# Altium PCB pololu_3pi+_jlcpcb.PcbDoc (continued)
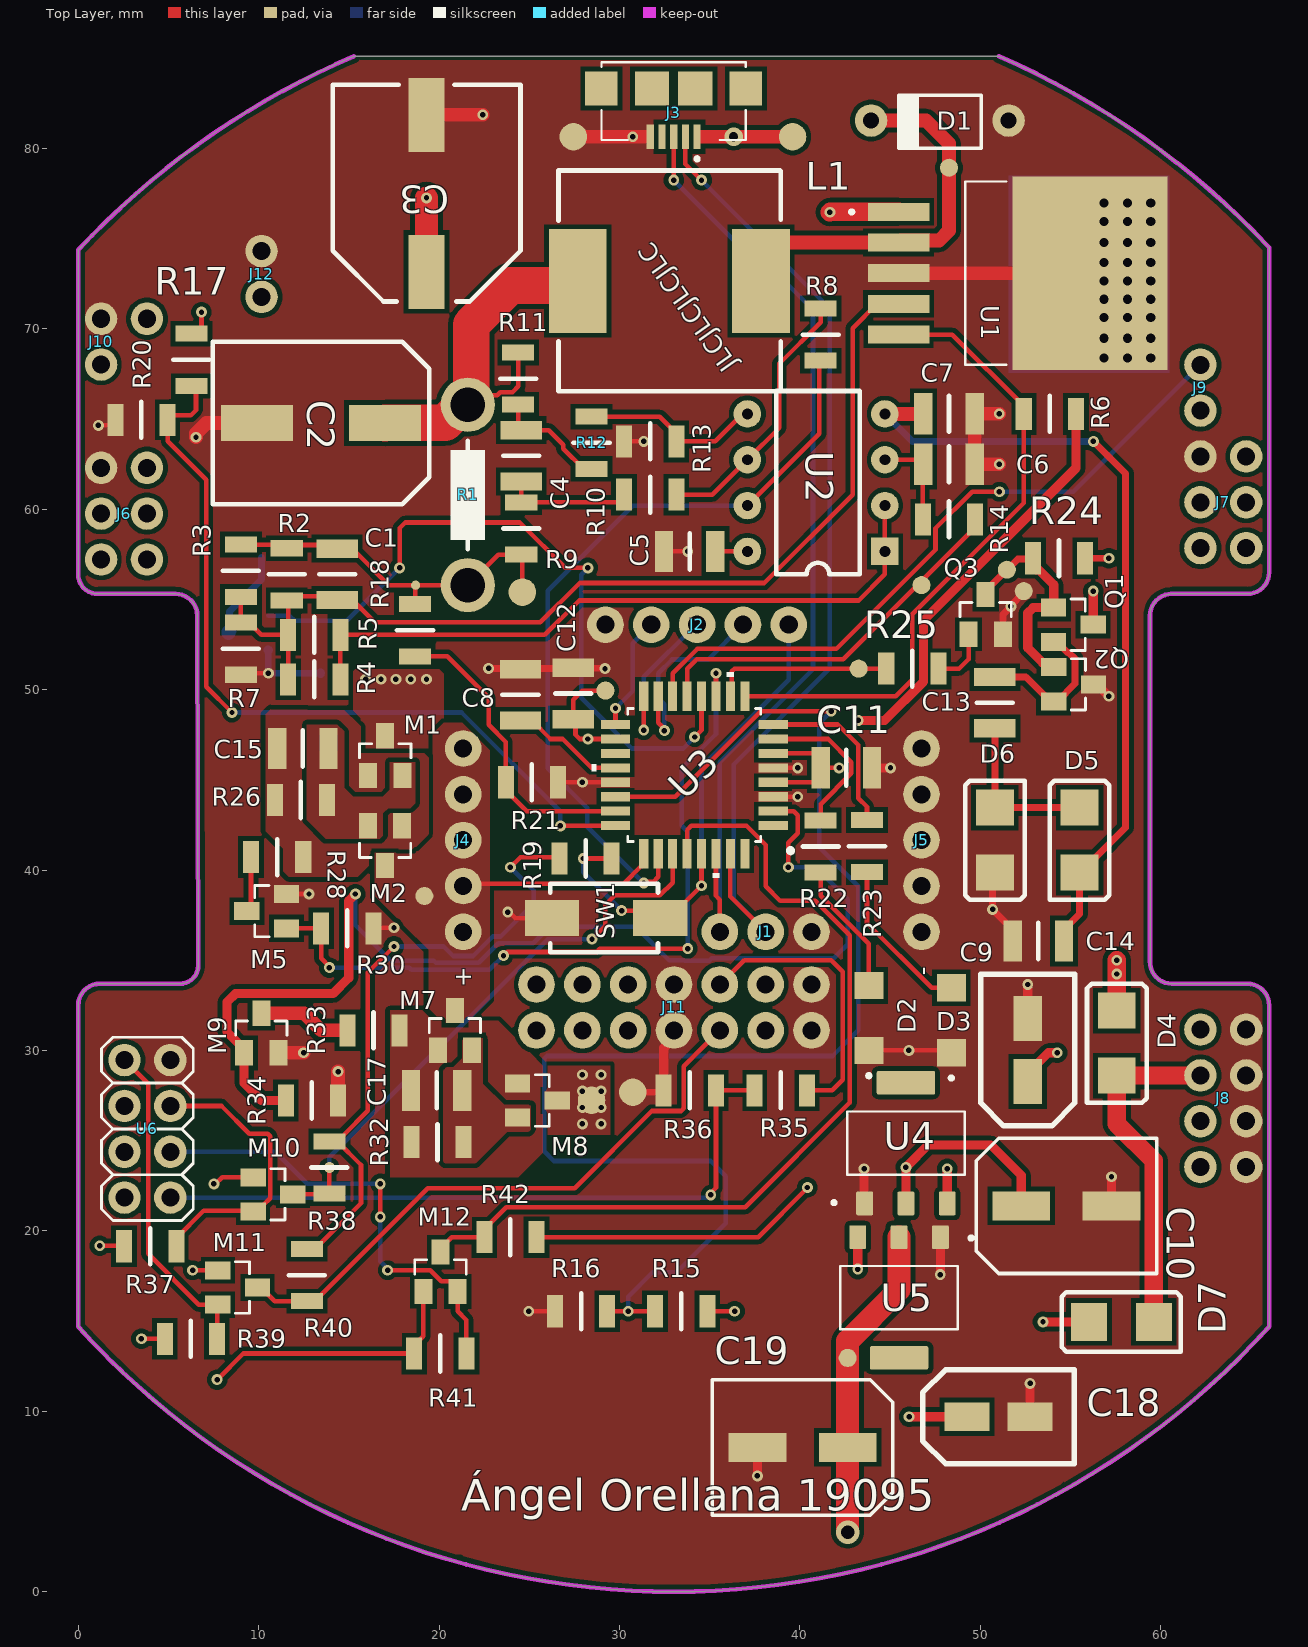
[diagram p0: Top Layer view]
## Footprints (in the part's own frame and the unit in brackets; to place one, negate y for a bottom-side part, rotate by r counter-clockwise, add the part's x,y. Pads: shape width x height; smd on the part's side, far side on the other; paste and mask are expansions set on the pad) (continued)
LSMD_POWER [mm]
  rect 3.2x5.75 smd: 1(-5.075,0) 2(5.075,0)
  silkscreen extent -6.15,-6.12 6.17,6.12, body extent -6,-6 6,6, height 7.46
R1206 [mil]
  rect 35x70 smd: 1(-57,0) 2(57,0)
  silkscreen extent 0,-39 0,39, body extent -63,-31 63,31, height 20
"Shunt 10mm" [mm]
  round 3 hole 1.9: 1(0,0) 2(10,0)
  silkscreen extent 2,-0.95 8,0.95, body extent -1.24,-1.25 10.88,1.25, height 8.74
SOD81 [mm]
  round 1.8 hole 0.9: 1(0,0) 2(7.62,0)
  silkscreen extent 1.52,-1.4 6.1,1.52, body extent -0.28,-1.01 7.9,0.89, height 2.9
SOT23-3L [mm]
  rect 1.4x1 smd: 1(1.1,-0.95) 2(1.1,0.95) 3(-1.1,0)
  silkscreen extent -0.66,-1.42 0.13,1.42, body extent -1.2,-1.45 1.2,1.45, height 1
SOT229P700X180-4N [mm]
  rrect15% 0.93x1.31 smd: 1(-2.29,-3.345) 2(0,-3.345) 3(2.29,-3.345)
  rrect15% 3.24x1.31 smd: 4(0,3.345)
  silkscreen extent -4.09,-3.4 3.25,1.75, body extent -3.25,-3.5 3.25,3.5, height 1.8
TQFP32_32A_MCH-M [mil]
  rect 64x20 smd paste+0 mask+0: 1(-172,110.24) 2(-172,78.74) 3(-172,47.24) 4(-172,15.75) 5(-172,-15.75) 6(-172,-47.24) 7(-172,-78.74) 8(-172,-110.24) 17(172,-110.24) 18(172,-78.74) 19(172,-47.24) 20(172,-15.75) 21(172,15.75) 22(172,47.24) 23(172,78.74) 24(172,110.24)
  rect 20x64 smd paste+0 mask+0: 9(-110.24,-172) 10(-78.74,-172) 11(-47.24,-172) 12(-15.75,-172) 13(15.75,-172) 14(47.24,-172) 15(78.74,-172) 16(110.24,-172) 25(110.24,172) 26(78.74,172) 27(47.24,172) 28(15.75,172) 29(-15.75,172) 30(-47.24,172) 31(-78.74,172) 32(-110.24,172)
  silkscreen extent -215,-224 224,224, body extent -182,-182 182,182, height 47
"USB MICRO-B" [mm]
  rect 0.4x1.35 smd: 1(-1.3,2.675) 2(-0.65,2.675) 3(0,2.675) 4(0.65,2.675) 5(1.3,2.675)
  rect 1.8x1.9 smd: S1(-4,0) S4(4,0)
  rect 1.9x1.9 smd: S2(-1.2,0) S3(1.2,0)
  silkscreen extent -4,-1.45 4,4, body extent -4.04,-2.84 4.04,2.72, height 2.76
VREG_LM2596S-ADJ/NOPB [mm]
  rect 3.4x1 smd paste-0.05 mask+0.07: 1(-10.6,3.4) 2(-10.6,1.7) 3(-10.6,0) 4(-10.6,-1.7) 5(-10.6,-3.4)
  rect 8.6x10.7 smd paste-0.05 mask+0.07: 6(0,0)
  silkscreen extent -13.3,-5.08 -4.62,5.08, body extent -10.67,-5.08 3.68,5.08, height 4.65

## Part data
C1 C4 C5 C6 C7 C8 C11 C12 C13 C14 C15 C16 C17: library part Capacitor
C2 C3 C9 C10 C18 C19: library part "Electrolytic Capacitor"
D1: library part "Schottky Diode"
D2 D3: "Red 631nm LED Indication - Discrete 2V 1206 (3216 Metric)", Package="1206 Lite-On", Availability="In Stock", Check_prices=https://www.snapeda.com/parts/LTST-C230KRKT/Lite-On+Inc./view-part/?ref=eda, MF="Lite-On Inc.", MP=LTST-C230KRKT, Price=None, Purchase-URL=https://pricing.snapeda.com/search?q=LTST-C230KRKT&ref=eda, SnapEDA_Link=https://www.snapeda.com/parts/LTST-C230KRKT/Lite-On+Inc./view-part/?ref=snap
J3: "USB - micro B USB 2.0 Receptacle Connector 5 Position Surface Mount, Right Angle", Package=None, Availability=Unavailable, MF="Wurth Electronics", MP=629105136821, Price=None, SnapEDA_Link=https://www.snapeda.com/parts/629105136821/Wurth%20Electronics%20Inc./view-part/1118247/?ref=snap
L1: library part Inductor
M1 M2 M3 M4 M7 M8: "P-Channel 30 V 4A (Ta) 1.4W (Ta) Surface Mount SOT-23-3", Package="TO-236-3 Alpha &amp; Omega Semiconductor Inc.", Availability="In Stock", Check_prices=https://www.snapeda.com/parts/AO3401A/Alpha+%2526+Omega+Semiconductor+Inc./view-part/?ref=eda, MF="Alpha & Omega Semiconductor Inc.", MP=AO3401A, Price=None, Purchase-URL=https://pricing.snapeda.com/search/part/AO3401A/?ref=eda, SnapEDA_Link=https://www.snapeda.com/parts/AO3401A/Alpha+%2526+Omega+Semiconductor+Inc./view-part/?ref=snap
M5 M6 M9 M10 M11 M12: "N-Channel 60V 280mA (Ta) 350mW (Ta) Surface Mount SOT-23-3 (TO-236)", Package=None, Availability=Unavailable, MP=altium_native_batch, Price=None
R1 R2 R3 R4 R5 R6 R7 R8 R9 R10 R11 R12 R13 R14 R15 R16 R17 R18 R19 R20 R21 R22 R23 R24 R25 R26 R27 R28 R29 R30 R31 R32 R33 R34 R35 R36 R37 R38 R39 R40 R41 R42: library part Resistor
SW1: "6×3.5×4.3mm Push Button"
U1: "SIMPLE SWITCHER&reg; 4.5V to 40V, 3A Low Component Count Step-Down Regulator", Package="TO-263-5 Texas Instruments", Availability="In Stock", Check_prices=https://www.snapeda.com/parts/LM2596S-ADJ/NOPB/Texas+Instruments/view-part/?ref=eda, MF="Texas Instruments", MP=LM2596S-ADJ/NOPB, Price=None, Purchase-URL=https://pricing.snapeda.com/search/part/LM2596S-ADJ/NOPB/?ref=eda, SnapEDA_Link=https://www.snapeda.com/parts/LM2596S-ADJ/NOPB/Texas+Instruments/view-part/?ref=snap
U3: "No Description Available", Mfr_Name=Microchip, RefDes=RefDes, Type=Type
U4 U5: "1A LOW DROPOUT VOLTAGE REGULATOR", Package="SOT-223 Seeed Technology", Availability="Not in stock", Check_prices=https://www.snapeda.com/parts/AMS1117-5.0/ams/view-part/?ref=eda, MF=ams, MP=AMS1117-5.0, Price=None, SnapEDA_Link=https://www.snapeda.com/parts/AMS1117-5.0/ams/view-part/?ref=snap
U6: "ESP8266 ESP-01 Transceiver; 802.11 b/g/n (Wi-Fi, WiFi, WLAN) Evaluation Board", Package=Package, Availability="In Stock", Check_prices=https://www.snapeda.com/parts/ESP-01/AI-Thinker/view-part/5164489/?ref=eda, MF=AI-Thinker, MP=ESP-01, Price=None, Purchase-URL=https://pricing.snapeda.com/search/part/ESP-01/?ref=eda, SnapEDA_Link=https://www.snapeda.com/parts/ESP-01/AI-Thinker/view-part/5164489/?ref=snap

## Free pads (board coordinates)
  round 1.8 hole 1: 8(3.81,70.55)
  round 0.508 smd: 9(18.7,55.786)
  round 1 smd: 10(19.184,38.56) 10(29.218,49.946) 10(42.643,12.962) 10(43.253,51.159) 10(46.736,55.786) 10(48.26,78.918) 10(51.467,56.642) 10(52.4,55.456)
  round 1.524 smd: 10(24.613,55.397) 10(27.44,80.637) 10(28.448,27.239) 10(30.734,27.686) 10(39.591,80.637)

## Via types
v1: diameter 0.6, hole 0.3, Top Layer to Bottom Layer, 99 vias
v2: diameter 0.889, hole 0.508, Top Layer to Bottom Layer, 27 vias
v3: diameter 1.3, hole 0.762, Top Layer to Bottom Layer, 1 vias
v4: diameter 1.016, hole 0.508, Top Layer to Bottom Layer, 1 vias

## Nets (pads, with @x,y where several pads share a name; then routed paths per layer and width w, separated by ;. In a path a pad name is that pad's centre, name@x,y a point inside that pad or via, vN(x,y) a via of type N, cw(c..) or ccw(c..) an arc to the next point about the centre after c; other vN are vias at no path point)
3.3V: C19.2 M10.1 M11.1 M12.1 pad.10@42.643,12.962 R37.1 R39.1 R41.1 U5.2 U6.2 U6.6 | length 39.2
  Top Layer w0.254: v1(1.194,19.177) 2.515,19.177 R37.1 ; v1(3.505,14.021) R39.1 ; v1(6.34,17.816) M11.1 ; v1(7.518,22.606) 7.612,22.606 7.978,22.972 M10.1 ; v1(7.696,11.76) 9.144,13.208 R41.1 18.618,13.652 19.126,14.16 M12.1
  Top Layer w1.27: U6.2 U6.2@2.667,21.743 ; v3(42.643,3.306) C19.2 42.643,13.89 45.491,16.739 U5.2
3.3V_SCL: M12.2 R41.2 U6.3 | length 25.4
  Top Layer w0.254: v1(16.739,20.777) v1(16.739,22.606) ; v1(17.15,17.816) 19.507,17.816 20.112,17.21 20.653,17.21 21.026,16.837 M12.2 21.026,15.55 21.514,15.062 R41.2
  Bottom Layer w0.254: U6.3 10.922,24.384 12.7,22.606 v1(16.739,22.606) ; v1(16.739,20.777) 16.739,18.321 17.15,17.909 v1(17.15,17.816)
3.3V_SDA: M10.2 R37.2 U6.5 | length 16.3
  Top Layer w0.254: U6.5 7.943,26.924 9.479,25.388 10.5,25.388 10.649,25.239 10.649,22.367 10.642,22.36 10.642,21.819 10.268,21.445 9.895,21.072 M10.2 9.659,21.107 6.947,21.107 5.436,19.596 R37.2
3.3V_TX: M11.2 R39.2 U6.8 | length 18.2
  Top Layer w0.254: U6.8 3.874,28.156 3.874,18.732 6.69,15.916 M11.2 7.696,15.873 R39.2
5V: C10.2 C11.2 C12.2 pad.10@29.218,49.946 R6.2 R19.1 R38.1 R40.1 R42.1 U3.4 U3.6 U3.18 U4.2 | length 99.6
  Top Layer w0.254: R40.1 12.992,19.317 13.449,19.317 15.672,21.539 15.672,23.653 14.364,24.961 R38.1 ; R38.1@14.682,25.286 16.056,26.661 16.056,34.319 v1(17.501,35.763) ; v1(23.952,40.157) 24.511,40.716 26.594,40.716 R19.1 ; R42.1 37.678,19.652 v1@40.386,22.36 ; pad.10@29.218,49.946 27.94,49.946 27.432,49.438 C12.2 27.559,48.235 27.559,47.494 27.79,47.263 U3.18 ; U3.4 40.767,44.863 41.148,45.244 C11.2 ; U3.6 40.767,46.463 41.148,46.082 C11.2 ; v1(42.169,45.663) C11.2 ; v1(45.872,23.52) 45.923,23.52 v1@45.923,23.571 ; C10.2@51.462,21.387 C10.2
  Top Layer w0.508: v1(43.231,48.29) 44.691,48.29 46.85,50.45 46.85,53.835 55.296,62.281 R6.2 ; U4.2 v1(45.872,23.52) ; v1@45.923,23.571 47.117,24.765 50.577,24.765 52.262,23.079 C10.2
  Bottom Layer w0.254: v1(17.501,35.763) 20.25,35.763 20.78,35.233 21.892,35.233 22.976,36.317 23.414,36.317 25.244,38.147 25.244,38.865 v1(23.952,40.157)
  other v1: 40.411,22.406 28.245,47.263
-PVDD: C7.1 C14.1 D5.1 U2.4 | length 44.2
  Top Layer w0.381: C14.1 54.635,36.703 55.499,37.567 D5.1 55.549,39.856 58.039,42.346 58.039,61.976 v1(56.261,63.754)
  Top Layer w0.762: U2.4 46.825,65.278 C7.1
  Bottom Layer w0.381: U2.4 46.228,63.754 v1(56.261,63.754)
GND: C2.1 C3.1 C5.1 C6.1 C7.2 C8.1 C9.1 C10.1 C11.1 C12.1 C14.2 C18.1 C19.1 D1.1 D2.C D3.C D6.2 J1.3 J2.5 J3.5 J5.1 J5.2 J5.3 J5.4 J5.5 J6.1 J7.1 J8.1 J8.2 J8.3 J8.4 J10.2 J11.4 J11.7 J11.8 J11.11 J12.2 M5.2 M6.2 M9.2 pad.10@27.44,80.637 pad.10@30.734,27.686 pad.10@52.4,55.456 Q2.3 Q3.2 R7.2 R13.2 R16.1 R20.2 R21.2 R30.2 R31.2 R34.2 R36.1 SW1.2 U1.3 U1.6 U3.3 U3.5 U3.21 U4.1 U5.1 U6.7 | length 88.7
  Top Layer w0.254: v1(1.118,64.643) 1.752,64.643 R20.2 ; R7.2 9.096,50.901 v1(10.541,50.901) ; M5.2 v1(12.791,38.669) ; R30.2 16.399,36.805 v1(17.501,36.805) ; v1(23.801,37.667) 23.894,37.667 24.224,37.338 SW1.2 ; v1(24.965,15.55) R16.1 ; R21.2 v1(27.94,44.863) U3.21 ; R13.2 v1(31.344,63.754) ; C5.1 v1(33.782,57.655) ; U3.3 v1(39.878,44.063) ; U3.5 v1(39.878,45.663) ; D2.C v1(46.037,30.001) 48.26,30.001 D3.C
  Top Layer w0.381: v1(22.743,51.171) 27.491,51.171 27.503,51.183 29.173,51.183 v1(29.196,51.159) ; pad.10@30.734,27.686 32.347,27.686 R36.1 ; D6.2 50.673,39.729 v1(50.673,37.821) 51.791,36.703 C14.2 ; Q3.2 51.242,54.163 v1(51.689,54.61) 51.689,54.669 52.4,55.38 pad.10@52.4,55.456
  Top Layer w0.508: R36.1 32.448,30.131 33.02,30.703 J11.4 ; v1(37.643,6.426) C19.1 ; U4.1@43.557,21.191 v1(43.557,23.44) ; C11.1 v1(45.015,45.663) ; v1(47.777,17.577) 47.779,17.579 47.779,19.65 U5.1 ; C9.1 v1(52.621,33.655) ; C18.1 v1(52.751,11.552) ; Q2.3 56.461,50.292 v1(57.118,49.635) ; C10.1 v1(57.262,22.998)
  Top Layer w0.762: v1(6.528,63.983) 6.528,64.195 7.103,64.77 C2.1 ; M9.2 v1(12.491,29.869) ; R34.2 v1(14.402,28.83) ; C3.1 v1(22.416,81.852) ; pad.10@27.44,80.637 v1(30.734,80.637) J3.5@31.521,80.637 ; U1.3 U1.6 ; v1(51.042,62.484) C6.1 C7.2 v1(51.042,65.29)
  Bottom Layer w0.381: v1@10.532,50.91 M6.2@10.532,52.178 ; v1@10.545,50.906 R31.2@13.419,50.906
  Bottom Layer w0.508: M6.2 M6.2@10.532,52.178 ; v1@10.532,50.91 v1(10.541,50.901) v1@10.545,50.906 ; R31.2@13.419,50.906 R31.2
  other v2: 56.845,68.375 58.147,68.375 59.436,68.375 56.845,69.469 58.147,69.469 59.436,69.469 56.845,70.612 58.147,70.612 59.436,70.612 56.845,71.628 58.147,71.628 59.436,71.628 56.845,72.644 58.147,72.644 59.436,72.644 56.845,73.66 58.147,73.66 59.436,73.66 56.845,74.774 58.147,74.774 59.436,74.774 56.845,75.946 58.147,75.946 59.436,75.946 56.845,76.962 58.147,76.962 59.436,76.962
led_LiON: R23.1 U3.8 | length 9.5
  Top Layer w0.254: U3.8 42.095,48.063 43.231,46.926 43.231,43.986 43.713,43.504 R23.1
led_NiMH: R22.1 U3.7 | length 8.8
  Top Layer w0.254: U3.7 41.558,47.263 42.85,45.971 42.85,45.354 41.148,43.653 R22.1
Li_FB: C1.1 R2.2 R3.2 R4.1 R5.1 R7.1 U1.4 | length 56.1
  Top Layer w0.254: R3.2 R7.1 9.461,53.718 10.147,53.032 R5.1 ; R4.1 R5.1 ; U1.4 44.266,71.374 42.926,70.034 42.926,60.801 38.029,55.905 27.79,55.905 25.606,53.721 16.431,53.721 14.986,55.166 14.351,55.166 11.582,55.166 11.633,55.115 R5.1
LiON_Battery: J4.1 J4.2 J4.3 J4.4 J4.5 M2.3 M7.3 pad.10@19.184,38.56 U3.25 | length 11.3
  Top Layer w0.254: J4.2 21.466,39.246 30.229,39.246 31.191,40.208 31.217,40.208 31.344,40.335 U3.25
  Top Layer w1.016: J4.5@21.061,46.736 J4.5
MISO: J2.3 U3.16 | length 9
  Top Layer w0.254: v1(31.344,47.752) U3.16
  Bottom Layer w0.254: v1(31.344,47.752) 31.344,50.701 34.237,53.594 J2.3
MOSI: J2.2 U3.15 | length 11.4
  Top Layer w0.254: U3.15 32.144,48.163 32.487,47.82 v1(32.487,47.727) ; J2.2@36.576,53.594 J2.2
  Bottom Layer w0.254: v1(32.487,47.727) 32.487,49.189 32.144,49.532 32.144,50.901 32.908,51.665 34.909,51.665 J2.2
NetC2_2: C2.2 L1.1 R1.1 R11.1 | length 20.7
  Top Layer w0.254: R1.1 21.775,65.971 22.115,66.311 23.217,66.311 23.39,66.484 24.066,66.484 24.384,66.802 R11.1
  Top Layer w2.032: C2.2@17.022,64.754 C2.2 17.022,64.786 20.328,64.786 21.328,65.786 R1.1 ; R1.1@21.775,65.971 21.775,70.219 23.946,72.39 L1.1@27.209,72.39
NetC4_1: C4.1 R11.2 R12.1 | length 6.4
  Top Layer w0.254: R11.2 24.384,64.546 C4.1 26.078,64.376 26.882,63.572 26.882,63.352 28.003,62.23 R12.1
NetC4_2: C4.2 R9.2 R10.1 | length 7.1
  Top Layer w0.254: C4.2 R9.2 29.935,60.376 30.252,60.693 R10.1
NetC6_2: C6.2 R14.2 U2.3 | length 5.3
  Top Layer w0.254: U2.3 46.584,62.738 C6.2 46.812,62.459 R14.2
NetC8_2: C8.2 U3.20 | length 6.4
  Top Layer w0.254: C8.2 25.146,48.29 26.173,47.263 26.848,47.263 28.448,45.663 U3.20
NetC13_1: C13.1 Q1.2 Q2.2 | length 8.4
  Top Layer w0.381: C13.1 52.514,50.698 53.551,49.661 53.551,49.651 53.861,49.342 Q2.2 54.261,49.342 55.243,50.325 55.243,51.708 54.892,52.06 54.834,52.06 54.25,52.644 Q1.2
NetC13_2: C13.2 D5.2 D6.1 | length 9.1
  Top Layer w0.381: C13.2 D6.1 D5.2
NetC15_1: C15.1 M1.1 M2.1 R26.2 R28.2
NetC15_2: C15.2 M1.2 M2.2 R26.1 | length 0.6
  Top Layer w1.016: C15.2 C15.2@13.868,47.371
NetC16_1: C16.1 M3.1 M4.1 R27.2 R29.2
NetC16_2: C16.2 M3.2 M4.2 R27.1
NetC17_1: C17.1 M7.1 M8.1 R32.2 R33.2
NetC17_2: C17.2 M7.2 M8.2 R32.1
NetD1_2: D1.2 L1.2 pad.10@48.26,78.918 U1.2 | length 21.8
  Top Layer w0.762: L1.2 37.841,73.555 39.06,74.774 U1.2 45.585,74.893 47.715,74.893 48.26,75.438 48.26,80.264 46.99,81.534 D1.2
NetD2_A: D2.A R22.2 | length 7.4
  Top Layer w0.254: R22.2 41.148,38.583 43.815,35.916 D2.A
NetD3_A: D3.A R23.2 | length 9
  Top Layer w0.254: R23.2 43.713,37.059 47.298,33.474 D3.A
NetJ8_5: J8.5 M8.3 pad.10@28.448,27.239
  other v1: 27.94,25.933 28.981,25.933 27.94,26.839 28.981,26.839 27.94,27.745 28.981,27.745 27.94,28.651 28.981,28.651
NetJ9_1: J9.1 U3.14 | length 38.3
  Top Layer w0.254: U3.14 32.944,50.898 34.297,52.251 42.018,52.251 47.511,57.744 47.511,58.932 49.539,60.96 v1(51.054,60.96)
  Bottom Layer w0.254: v1(51.054,60.96) 55.15,60.96 J9.1
NetJ11_5: J11.5 M11.3 R40.2 | length 33.5
  Top Layer w0.254: M11.3 10.139,16.866 10.901,16.104 R40.2 13.119,16.104 19.375,22.36 27.51,22.36 31.795,26.645 33.416,26.645 33.565,26.793 33.565,29.12 J11.5
NetJ11_10: J11.10 R35.2 | length 15.9
  Top Layer w0.254: J11.10 36.903,34.998 41.735,34.998 42.38,34.353 42.38,28.37 41.797,27.788 R35.2
NetM5_1: M5.1 R30.1 U3.11 | length 42.1
  Top Layer w0.254: M5.1 R30.1 13.467,35.105 13.92,34.653 v1(13.92,34.595) ; v1(23.571,35.255) 23.774,35.458 28.725,35.458 28.914,35.647 v1(33.782,35.647) ; U3.11 v1(35.344,50.901)
  Bottom Layer w0.254: v1(13.92,34.595) 18.338,34.595 18.462,34.471 22.787,34.471 v1(23.571,35.255) ; v1(33.782,35.647) 33.782,42.115 33.452,42.446 33.452,45.644 35.344,47.536 v1(35.344,50.901)
NetM5_3: M5.3 R28.1 | length 3.1
  Top Layer w0.254: M5.3 9.576,37.948 R28.1
NetM6_1: M6.1 R31.1 U3.12 | length 39.9
  Top Layer w0.254: v1(17.814,56.744) 17.814,58.953 18.119,59.258 24.469,59.258 26.983,56.744 v1(28.245,56.744) ; v1(34.161,47.371) 34.544,47.754 U3.12
  Bottom Layer w0.254: M6.1 11.71,54.087 11.991,53.806 14.876,53.806 v1(17.814,56.744) ; v1(28.245,56.744) 27.875,56.374 27.875,49.544 30.683,46.736 33.526,46.736 v1(34.161,47.371)
NetM6_3: M6.3 R29.1 | length 5
  Bottom Layer w0.381: M6.3@8.385,53.256 8.385,54.333 10.16,56.109 R29.1
  Bottom Layer w0.762: M6.3 8.323,53.194 M6.3@8.385,53.256
NetM9_1: M9.1 R34.1 U3.2 | length 62.7
  Top Layer w0.254: U3.2 39.656,43.263 39.878,43.041 39.878,42.029 39.355,41.506 v1(39.355,40.157) v1@39.4,40.112
  Top Layer w0.508: R34.1 10.158,27.229 9.197,28.189 M9.1 9.197,30.069 8.255,31.011 8.255,32.69 8.715,33.15 14.119,33.15 14.991,34.022 14.991,38.295 v1(15.365,38.669)
  Bottom Layer w0.254: v1(15.365,38.669) 15.365,36.936 17.325,34.976 19.703,34.976 19.827,34.852 22.205,34.852 23.289,35.936 25.215,35.936 26.13,36.851 30.891,36.851 32.744,34.998 33.576,34.998 33.608,34.966 34.972,34.966 35.116,35.111 41.876,35.111 42.024,35.259 42.024,35.268 42.647,35.89 42.647,38.388 40.877,40.157 v1(39.355,40.157)
NetM9_3: M9.3 R33.1 | length 5.2
  Top Layer w0.762: M9.3 12.517,32.069 13.471,31.115 R33.1
NetM10_3: M10.3 R38.2 U3.27 | length 31.7
  Top Layer w0.254: M10.3 13.899,22.022 13.92,22.042 v1(13.92,23.513) ; v1(28.473,36.17) 29.193,36.889 29.218,36.889 29.218,38.061 29.749,38.592 32.234,38.592 32.944,39.302 U3.27
  Bottom Layer w0.254: v1(13.92,23.513) 13.92,24.074 26.015,36.17 v1(28.473,36.17)
NetM12_3: M12.3 R42.2 U3.28 | length 50.1
  Top Layer w0.254: M12.3 20.076,19.037 20.691,19.652 R42.2 22.504,20.096 23.724,21.315 36.963,21.315 42.761,27.114 42.761,36.375 40.841,38.295 38.895,38.295 38.1,39.091 38.1,41.388 37.034,42.454 33.983,42.454 33.744,42.215 U3.28
NetQ1_1: pad.10@51.467,56.642 Q1.1 Q2.1 Q3.3 R24.2 | length 12.2
  Top Layer w0.381: Q3.3@50.292,55.467 52.07,57.245 R24.2@52.877,57.245
  Top Layer w0.508: Q3.3 Q3.3@50.292,55.467 ; R24.2@52.877,57.245 R24.2 52.908,56.832 53.099,56.642 53.225,56.642 54.061,55.806 54.061,54.555 Q1.1 52.918,54.544 52.621,54.246 52.621,52.315 53.448,51.488 53.815,51.488 Q2.1
NetQ3_1: Q3.1 R25.1 | length 3.3
  Top Layer w0.254: R25.1 48.812,51.159 49.342,51.689 Q3.1
NetR4_2: R4.2 R5.2 U2.1 U2.2 | length 37.8
  Top Layer w0.254: R4.2 R5.2 25.862,53.032 27.767,54.937 43.253,54.937 44.704,56.388 U2.1 U2.2
NetR6_1: R6.1 U1.5 U3.9 | length 36
  Top Layer w0.254: U3.9 45.314,49.632 46.228,50.546 46.228,54.167 52.4,60.34 R6.1 52.4,65.722 48.449,69.674 U1.5
NetR8_1: R8.1 R10.2 U2.6 | length 14.8
  Top Layer w0.254: R10.2 35.147,60.801 U2.6 38.862,64.516 38.862,68.072 41.148,70.358 R8.1
NetR8_2: R8.2 U2.7 U3.26 | length 43.4
  Top Layer w0.254: v1(31.344,39.273) 31.41,39.339 31.862,39.339 32.144,39.621 U3.26 ; U2.7 41.072,64.186 41.072,68.15 R8.2
  Bottom Layer w0.254: v1(31.344,39.273) 30.18,40.437 28.219,42.398 28.219,43.44 26.015,45.644 26.015,55.477 30.736,60.198 U2.7
NetR12_2: R12.2 R13.1 U2.5 | length 10.1
  Top Layer w0.254: R12.2 32.221,65.126 33.148,64.198 R13.1 35.306,63.754 36.83,65.278 U2.5
NetR14_1: pad.10@46.736,55.786 R14.1 U3.13 | length 21.2
  Top Layer w0.254: U3.13 33.744,51.159 34.274,51.689 42.405,51.689 49.708,58.991 R14.1
NetR15_1: R15.1 R16.2 U3.22 | length 79.8
  Top Layer w0.254: R16.2 R15.1 ; U3.22 33.087,44.063 37.83,48.806 v1(41.735,48.806)
  Bottom Layer w0.254: v1(30.48,15.55) 30.48,16.358 31.826,17.704 33.165,17.704 35.89,20.429 35.89,23.038 35.052,23.876 26.358,23.876 25.828,24.406 25.828,29.544 25.977,29.693 41.805,29.693 43.231,31.118 43.231,39.095 41.072,41.254 41.072,48.143 v1(41.735,48.806)
NetR25_2: pad.10@43.253,51.159 R25.2 U3.10 | length 10
  Top Layer w0.254: U3.10 36.222,49.71 36.222,51.01 36.371,51.159 R25.2
NetR35_1: R35.1 R36.2 U6.1 | length 38.1
  Top Layer w0.254: v1(35.052,21.996) 35.052,22.09 35.344,22.382 R36.2 R35.1
  Bottom Layer w0.254: U6.1 34.806,21.844 34.958,21.996 v1(35.052,21.996)
NiMH_Battery: J10.1 J12.1 M4.3 pad.8 R17.1 | length 1.1
  Top Layer w0.254: R17.1@6.833,69.825 v1(6.833,70.917)
PVDD: C3.2 C5.2 C9.2 C18.2 D4.2 D7.2 J3.1 pad.10@39.591,80.637 Q1.3 R15.2 R24.1 U1.1 U2.8 U4.3 U5.3 | length 33.9
  Top Layer w0.254: R15.2 v1(36.378,15.55) ; C5.2 U2.8@37.084,57.655
  Top Layer w0.381: R24.1 v1(57.118,57.277)
  Top Layer w0.508: v1(43.201,17.886) U5.3 ; v1(46.05,9.703) C18.2 ; U4.3 v1(48.162,23.44) ; C9.2 52.621,28.725 53.769,29.874 v1(54.261,29.874) ; v1(53.467,14.961) D7.2 ; v1(56.25,55.456) Q1.3 Q1.3@56.261,53.605
  Top Layer w0.762: 34.544,80.637 v4(36.322,80.637) pad.10@39.591,80.637
  Top Layer w1.016: v1(41.656,76.454) 41.676,76.474 U1.1 ; D4.2 v1(57.556,34.998)
  Top Layer w1.27: C3.2@19.255,73.633 19.304,73.584 v1(19.304,77.248)
  other v1: 57.556,34.239
Reset: J2.1 R19.2 SW1.1 U3.29 | length 29
  Top Layer w0.254: v1@28.003,40.64 R19.2 R19.2@29.485,40.559 ; v1(30.112,37.753) 31.843,37.753 SW1.1 32.758,37.338 v1(34.544,39.124) U3.29
  Bottom Layer w0.254: v1(27.991,40.64) 27.991,39.874 v1(30.112,37.753) ; v1(34.544,39.124) 34.544,45.72 39.378,50.554 J2.1
RX: J1.1 J3.3 U3.30 | length 54.1
  Top Layer w0.254: v1(33,78.232) J3.3 ; U3.30 35.344,38.57 35.56,38.354 J1.1
  Bottom Layer w0.254: v1(33,78.232) 36.63,74.602 37.158,74.602 40.721,71.039 40.721,51.135 35.56,45.974 J1.1
SCK: J2.4 U3.17 | length 6.6
  Top Layer w0.254: U3.17 v1(29.775,48.965) ; J2.4@31.758,53.348 J2.4
  Bottom Layer w0.254: v1(29.775,48.965) 30.734,49.924 30.734,52.57 J2.4
TX: J1.2 J3.2 U3.31 | length 55.5
  Top Layer w0.254: J3.2 33.65,79.126 v1(34.544,78.232) ; U3.31 36.144,38.532 J1.2
  Bottom Layer w0.254: v1(34.544,78.232) 41.656,71.12 41.656,51.181 36.322,45.847 36.322,38.354 J1.2
V_Buck: R18.2 R21.1 U3.23 | length 17.1
  Top Layer w0.254: R18.2 20.45,51.841 22.743,49.548 22.743,48.048 23.698,47.093 R21.1 23.698,44.418 24.854,43.263 U3.23
V_NiMH: R17.2 R20.1 U3.24 | length 45.4
  Top Layer w0.254: R17.2 6.528,66.573 6.528,65.481 6.248,65.202 4.953,65.202 4.953,63.754 7.087,61.62 7.087,50.165 v1(8.522,48.729) ; v1(26.721,42.446) 26.729,42.454 29.767,42.454 U3.24
  Bottom Layer w0.254: v1(8.522,48.729) 21.242,48.729 26.721,43.25 v1(26.721,42.446)
Vin: C1.2 M1.3 M3.3 pad.9 pad.10@24.613,55.397 R1.2 R2.1 R3.1 R9.1 R18.1 | length 20.3
  Top Layer w0.254: R3.1 11.303,58.036 11.328,58.01 14.351,58.01 14.732,57.629 15.367,57.629 17.211,55.786 pad.9 ; R18.1 18.669,55.755 pad.9 ; pad.10@24.613,55.397 24.613,57.422 R9.1 23.284,57.48 R1.2 pad.9
  other v1: 15.931,50.568 16.78,50.568 17.605,50.568 18.426,50.568 19.304,50.568
VM: D4.1 D7.1 J8.6 | length 19.1
  Top Layer w1.016: D7.1 59.61,23.879 57.556,25.933 D4.1 57.565,28.612 62.182,28.612 J8.6
pads on no net: J3.4 J3.S1 J3.S2 J3.S3 J3.S4 J6.2 J6.3 J6.4 J6.5 J6.6 J7.2 J7.3 J7.4 J7.5 J7.6 J8.7 J8.8 J9.2 J11.1 J11.2 J11.3 J11.6 J11.9 J11.12 J11.13 J11.14 U3.1 U3.19 U3.32 U4.4 U5.4 U6.4

## Polygon pours and split planes (outlines as drawn)
GND on Top Layer "GND_L01_P021" (solid, remove dead copper, pour order 21): 15.292,84.912 12.852,84.252 7.12,80.112 6.452,80.112 5.207,78.867 4.775,78.867 3.531,77.622 3.429,77.622 3.429,77.523 0.206,74.3 0,74.3 0,55.855 0.377,55.477 5.555,55.477 6.579,54.453 6.579,34.468 6.528,34.468 5.766,33.706 0.787,33.706 -0.025,32.893 -0.025,14.529 5.639,8.865 6.553,8.865 6.579,8.89 7.95,7.518 8.865,7.518 10.77,5.613 12.116,5.613 12.929,4.801 12.929,4.775 13.818,4.775 15.189,3.404 15.215,3.429 16.718,3.429 17.379,2.769 18.694,2.769 19.38,2.083 21.234,2.083 21.869,1.448 23.343,1.448 23.825,0.965 23.876,1.016 25.502,1.016 25.959,0.559 26.111,0.711 27,0.711 27.305,0.406 38.964,0.406 39.141,0.584 39.167,0.559 41.173,0.559 41.935,1.321 44.399,1.321 45.034,1.956 46.711,1.956 47.422,2.667 48.514,2.667 49.149,3.302 50.495,3.302 51.41,4.216 51.486,4.14 52.324,4.14 52.324,4.369 53.086,5.131 54.261,5.131 54.261,5.772 54.61,6.121 54.966,5.766 55.423,5.766 57.252,7.595 58.293,7.595 61.697,10.998 62.509,10.998 65.964,14.453 65.964,32.741 65.049,33.655 60.325,33.655 59.499,34.48 59.499,54.546 59.436,54.61 60.282,55.456 64.981,55.456 66.015,56.49 66.015,74.397 66.04,74.422 60.808,79.654 59.868,79.654 57.556,81.966 56.286,81.966 54.407,83.845 53.264,83.845 52.222,84.887 51.156,84.887
NetC17_1 on Top Layer "NETC17_1_L01_P011" (solid, remove dead copper, pour order 11): 17.284,32.215 17.284,22.962 24.384,22.962 25.527,24.105 25.756,24.333 25.756,29.162 23.285,31.633 19.66,31.633 19.078,32.215 18.415,32.215
NetC15_1 on Top Layer "NETC15_1_L01_P006" (solid, remove dead copper, pour order 6): 10.661,48.902 10.393,48.635 10.389,48.635 10.389,42.158 11.354,41.193 11.354,39.926 11.659,39.621 15.484,39.621 16.09,40.227 16.09,40.823 16.307,41.04 18.542,41.04 19.456,41.955 19.456,46.19 19.184,46.463 15.672,46.463 15.672,47.943 14.757,48.857
Vin on Top Layer "VIN_L01_P017" (solid, remove dead copper, pour order 17): 15.672,46.736 15.672,48.4 15.215,48.857 15.24,48.882 15.24,51.01 15.365,51.135 19.998,51.135 20.257,50.876 20.257,46.736
NetJ8_5 on Top Layer "NETJ8_5_L01_P013" (solid, remove dead copper, pour order 13): 25.794,29.157 29.488,29.157 29.488,25.296 29.463,25.322 25.717,25.322
NetC17_2 on Top Layer "NETC17_2_L01_P009" (solid, remove dead copper, pour order 9): 21.285,30.683 21.285,29.565 20.777,29.058 20.395,29.058 20.244,28.906 20.244,23.825 20.32,23.749 22.022,23.749 23.774,25.502 24.968,25.502 25.09,25.623 25.09,26.98 23.616,26.98 22.428,28.169 22.428,30.658 22.416,30.67
LiON_Battery on Top Layer "LION_BATTERY_L01_P012" (solid, remove dead copper, pour order 12): 16.431,40.143 16.431,38.56 19.42,35.571 19.42,32.336 20.208,31.549 21.516,31.549 22.809,32.842 22.809,40.081
LiON_Battery on Top Layer "LION_BATTERY_L01_P004" (solid, remove dead copper, pour order 4): 16.431,41.04 16.431,39.246 16.532,39.246 20.32,35.458 22.809,35.458 22.809,46.838 21.486,48.162 20.268,48.162 19.66,47.553 19.66,41.846 18.853,41.04 17.13,41.04
NetC15_2 on Top Layer "NETC15_2_L01_P000" (solid, remove dead copper, pour order 0): 18.669,45.974 17.272,45.974 17.272,44.418 17.244,44.418 16.889,44.063 15.24,44.063 14.732,44.571 14.732,47.682 14.351,48.063 12.675,48.063 12.675,42.774 13.716,41.732 16.713,41.732 16.891,41.91 16.891,43.148 17.177,43.434 18.415,43.434 18.669,43.688
GND on Bottom Layer "GND_L04_P022" (solid, remove dead copper, pour order 22): 15.381,84.836 12.941,84.176 7.208,80.035 6.54,80.035 5.296,78.791 4.864,78.791 3.619,77.546 3.518,77.546 3.518,77.446 0.295,74.224 0.089,74.224 0.089,55.778 0.466,55.401 5.644,55.401 6.667,54.377 6.667,34.392 6.617,34.392 5.855,33.63 0.876,33.63 0.064,32.817 0.064,14.453 5.728,8.788 6.642,8.788 6.667,8.814 8.039,7.442 8.954,7.442 10.858,5.537 12.205,5.537 13.018,4.724 13.018,4.699 13.906,4.699 15.278,3.327 15.303,3.353 16.807,3.353 17.467,2.692 18.783,2.692 19.469,2.007 21.323,2.007 21.958,1.372 23.431,1.372 23.914,0.889 23.965,0.94 25.59,0.94 26.048,0.483 26.2,0.635 27.089,0.635 27.394,0.33 39.052,0.33 39.23,0.508 39.256,0.483 41.262,0.483 42.024,1.245 44.488,1.245 45.123,1.88 46.799,1.88 47.511,2.591 48.603,2.591 49.238,3.226 50.584,3.226 51.498,4.14 51.575,4.064 52.413,4.064 52.413,4.293 53.175,5.055 54.35,5.055 54.35,5.696 54.699,6.045 55.054,5.69 55.512,5.69 57.34,7.518 58.382,7.518 61.785,10.922 62.598,10.922 66.053,14.376 66.053,32.664 65.138,33.579 60.414,33.579 59.588,34.404 59.588,54.47 59.525,54.534 60.371,55.38 65.07,55.38 66.103,56.413 66.103,74.32 66.129,74.346 60.896,79.578 59.957,79.578 57.645,81.89 56.375,81.89 54.496,83.769 53.353,83.769 52.311,84.811 51.244,84.811
Vin on Bottom Layer "VIN_L04_P019" (solid, remove dead copper, pour order 19): 23.289,60.198 11.083,60.198 11.083,49.544 11.096,49.532 23.289,49.532
NiMH_Battery on Bottom Layer "NIMH_BATTERY_L04_P018" (solid, remove dead copper, pour order 18): -0.025,65.583 0,65.608 0,76.429 14.554,76.429 16.381,74.602 16.381,65.733
NetC16_1 on Bottom Layer "NETC16_1_L04_P016" (solid, remove dead copper, pour order 16): 19.304,66.777 9.169,66.777 8.636,66.243 8.636,60.198 9.084,59.75 18.196,59.75 19.304,60.858
NetC16_2 on Bottom Layer "NETC16_2_L04_P015" (solid, remove dead copper, pour order 15): 15.367,65.964 15.596,65.735 15.596,64.059 15.9,63.754 17.621,63.754 18.085,63.29 18.085,60.985 17.703,60.985 15.927,60.985 15.875,61.036 15.875,62.814 15.399,63.29 14.166,63.29 13.259,62.382 13.259,60.858 13.081,60.681 11.684,60.681 11.455,60.909 11.481,60.935 11.481,65.964
NetJ8_5 on Bottom Layer "NETJ8_5_L04_P014" (solid, remove dead copper, pour order 14): 27.153,29.235 54.991,29.235 58.191,32.436 63.068,32.436 63.5,32.004 63.5,30.15 63.017,29.667 61.671,29.667 61.671,29.642 57.328,25.298 27.076,25.298 27.076,29.159
3.3V on Power (split plane): 6.716,27.163 8.062,25.816 8.634,25.245 8.634,24.613 8.634,11.862 8.643,11.812 8.671,11.77 10.5,9.941 10.542,9.913 10.592,9.904 13.789,9.904 18.425,5.268 18.467,5.24 18.517,5.23 45.616,5.23 47.775,3.071 47.622,3.015 46.74,2.714 45.853,2.432 44.959,2.169 44.06,1.924 43.156,1.699 42.247,1.493 41.334,1.307 40.418,1.139 39.498,0.992 38.575,0.864 37.65,0.755 36.722,0.666 35.793,0.597 34.863,0.548 33.932,0.518 33,0.508 32.068,0.518 31.137,0.548 30.207,0.597 29.278,0.666 28.35,0.755 27.425,0.864 26.502,0.992 25.582,1.139 24.666,1.307 23.753,1.493 22.844,1.699 21.94,1.924 21.041,2.169 20.147,2.432 19.26,2.714 18.378,3.015 17.503,3.335 16.635,3.673 15.774,4.03 14.921,4.404 14.076,4.797 13.24,5.208 12.412,5.636 11.594,6.082 10.786,6.545 9.987,7.025 9.199,7.522 8.422,8.035 7.655,8.565 6.9,9.111 6.157,9.673 5.426,10.251 4.708,10.843 4.002,11.452 3.309,12.074 2.629,12.712 1.964,13.364 1.312,14.029 0.674,14.709 0.51,14.891 0.51,27.963 5.915,27.963
GND on Power (split plane): 16.736,74.953 16.736,70.942 16.746,70.893 16.774,70.851 19.454,68.171 19.454,56.424 15.402,52.372 15.374,52.33 15.365,52.281 15.365,51.006 14.247,49.888 7.121,49.888 7.11,54.075 7.11,54.1 7.11,54.108 7.102,54.268 7.077,54.434 7.036,54.596 6.98,54.754 6.908,54.906 6.822,55.05 6.722,55.185 6.609,55.309 6.485,55.422 6.35,55.522 6.206,55.608 6.054,55.68 5.896,55.736 5.734,55.777 5.568,55.802 5.408,55.81 5.4,55.81 1.086,55.81 1.077,55.81 0.996,55.816 0.908,55.837 0.824,55.872 0.747,55.919 0.678,55.978 0.619,56.047 0.572,56.124 0.537,56.208 0.516,56.296 0.51,56.377 0.51,56.386 0.51,74.163 0.808,74.479 1.47,75.156 2.146,75.818 2.836,76.465 3.075,76.68 15.009,76.68
PVDD on Power (split plane): 235 vertices, not listed, extent 0.51,3.169 65.491,84.59
5V on Power (split plane): 44.321,48.587 44.321,39.827 44.33,39.778 44.358,39.736 47.394,36.7 47.394,20.78 47.14,20.526 40.778,20.526 29.746,31.558 29.746,36.084 29.736,36.134 29.708,36.176 28.302,37.582 28.26,37.61 28.21,37.62 25.53,37.62 23.345,39.805 23.345,45.743 26.05,48.448 26.393,48.791 27.378,48.791 29.525,46.644 29.567,46.616 29.616,46.607 29.833,46.607 31.629,44.811 31.629,35.814 31.638,35.764 31.666,35.722 32.378,35.011 32.42,34.983 32.469,34.973 41.402,34.973 41.452,34.983 41.494,35.011 42.205,35.722 42.233,35.764 42.243,35.814 42.243,37.49 42.233,37.54 42.205,37.582 41.163,38.623 41.121,38.651 41.072,38.661 38.128,38.661 36.967,39.822 36.967,45.446 42.215,50.693
GND on Power (split plane): 18.908,36.484 18.95,36.456 18.999,36.447 23.695,36.447 24.407,35.735 24.407,34.902 23.391,33.886 13.099,33.886 12.296,34.689 12.296,39.469 15.923,39.469
GND on Power (split plane): 33.856,81.48 33.856,79.832 33.866,79.783 33.894,79.741 34.122,79.512 34.164,79.484 34.214,79.474 34.617,79.474 35.456,78.636 35.456,77.978 35.466,77.928 35.494,77.886 42.085,71.295 42.085,68 42.095,67.951 42.123,67.909 42.165,67.88 42.174,67.879 43.215,66.837 43.257,66.809 43.307,66.8 52.705,66.8 52.755,66.809 52.797,66.837 55.172,69.213 62.684,69.213 63.117,68.78 63.117,67.11 62.811,66.804 61.468,66.804 61.418,66.795 61.376,66.767 58.709,64.1 53.413,58.803 43.565,58.803 43.516,58.794 43.474,58.766 42.123,57.415 42.095,57.373 42.085,57.324 42.085,50.93 36.746,45.591 36.718,45.549 36.709,45.499 36.709,39.768 36.718,39.719 36.746,39.677 37.983,38.44 38.025,38.412 38.075,38.402 41.018,38.402 41.984,37.437 41.984,35.868 41.348,35.232 32.523,35.232 31.887,35.868 31.887,44.864 31.878,44.914 31.85,44.956 29.978,46.828 29.936,46.856 29.886,46.865 29.67,46.865 27.561,48.974 27.561,54.966 28.321,55.725 37.516,55.725 37.565,55.735 37.607,55.763 40.02,58.176 40.048,58.218 40.058,58.268 40.058,70.079 40.048,70.128 40.02,70.17 32.223,77.968 30.101,80.089 30.101,81.379 30.33,81.608 33.728,81.608
GND on GND (split plane): 294 vertices, not listed, extent 0.51,0.508 65.491,84.59

## Keep-outs
Keep-Out Layer:
  lines w0.254: 0,32.5 cw(c1.2,32.5) 1.2,33.7 5.65,33.7 ccw(c5.65,34.702) 6.652,34.702 ; 0,32.525 0,14.695 ccw(c33,44.4) 66,14.695 66,32.525 ; 0,74.366 0,56.386 ccw(c1.086,56.386) 1.086,55.3 5.4,55.3 cw(c5.4,54.1) 6.6,54.1 ; 0.002,74.366 cw(c33.001,43.624) 15.277,85.096 ; 6.6,54.075 6.649,34.6 ; 51.025,85.101 cw(c32.999,43.76) 66,74.5 66,56.5 cw(c64.8,56.5) 64.8,55.3 60.55,55.3 ; 59.4,54.1 cw(c60.6,54.1) 60.6,55.3 ; 59.4,54.15 59.4,34.9 ccw(c60.6,34.9) 60.6,33.7 64.8,33.7 cw(c64.8,32.5) 66,32.5

## Other copper
Bottom Layer:
  region net GND: 51.562,78.486 60.452,78.486 60.452,67.564 51.562,67.564
Power (plane layer: these items are gaps in the copper):
  lines w0.254: 0,23.216 0,28.092 5.969,28.092 6.807,27.254 8.153,25.908 8.763,25.298 8.763,24.613 8.763,11.862 10.592,10.033 13.843,10.033 18.517,5.359 45.669,5.359 48.162,2.866 ; 2.413,76.81 15.062,76.81 16.866,75.006 16.866,70.942 19.583,68.224 19.583,56.37 15.494,52.281 15.494,50.952 14.3,49.759 6.706,49.759 ; 27.432,48.92 27.432,55.02 28.267,55.855 37.516,55.855 39.929,58.268 39.929,70.079 32.131,77.876 29.972,80.035 29.972,81.432 30.277,81.737 33.782,81.737 33.985,81.534 33.985,79.832 34.214,79.604 34.671,79.604 35.585,78.689 35.585,77.978 42.215,71.349 42.215,68 42.236,68 43.307,66.929 52.705,66.929 55.118,69.342 61.341,69.342 62.738,69.342 63.246,68.834 63.246,67.056 62.865,66.675 61.468,66.675 58.801,64.008 53.467,58.674 43.565,58.674 42.215,57.324 42.215,50.876 ; 27.432,48.92 26.34,48.92 25.959,48.539 23.216,45.796 23.216,39.751 25.476,37.49 28.21,37.49 29.616,36.084 29.616,31.504 40.724,20.396 47.193,20.396 47.523,20.726 47.523,36.754 44.45,39.827 44.45,48.641 42.215,50.876 ; 27.432,48.92 29.616,46.736 29.886,46.736 31.758,44.864 31.758,35.814 32.469,35.103 41.402,35.103 42.113,35.814 42.113,37.49 41.072,38.532 38.075,38.532 36.838,39.768 36.838,45.499 42.215,50.876 ; 12.167,34.635 13.045,33.757 23.444,33.757 24.536,34.849 24.536,35.789 23.749,36.576 18.999,36.576 15.977,39.599 12.167,39.599 12.167,34.635

## Silkscreen, mask and mechanical layers (free items; w line width, h text height)
Top Overlay:
  text "JLCJLCJLCJLC" at 36.555,68.044 h1 r125
  text "+" at 21.782,34.646 h1 r90
  text "-" at 47.236,34.646 h1 r90
  text "Ángel Orellana 19095" at 21.234,3.912 h3
Bottom Overlay:
  text "RESET" at 39.954,59.614 h1 r90
  text "GND" at 30.226,57.658 h1 r90
  text "PB5" at 32.233,57.658 h1 r90
  text "PB4" at 35.306,57.641 h1 r90
  text "PB3" at 37.44,52.172 h1 r90
  text "GND" at 41.402,40.894 h1 r90
  text "RX" at 36.584,39.776 h1 r90
  text "TX" at 38.633,39.776 h1 r90